# KiCad board pcb.kicad_pcb (continued)
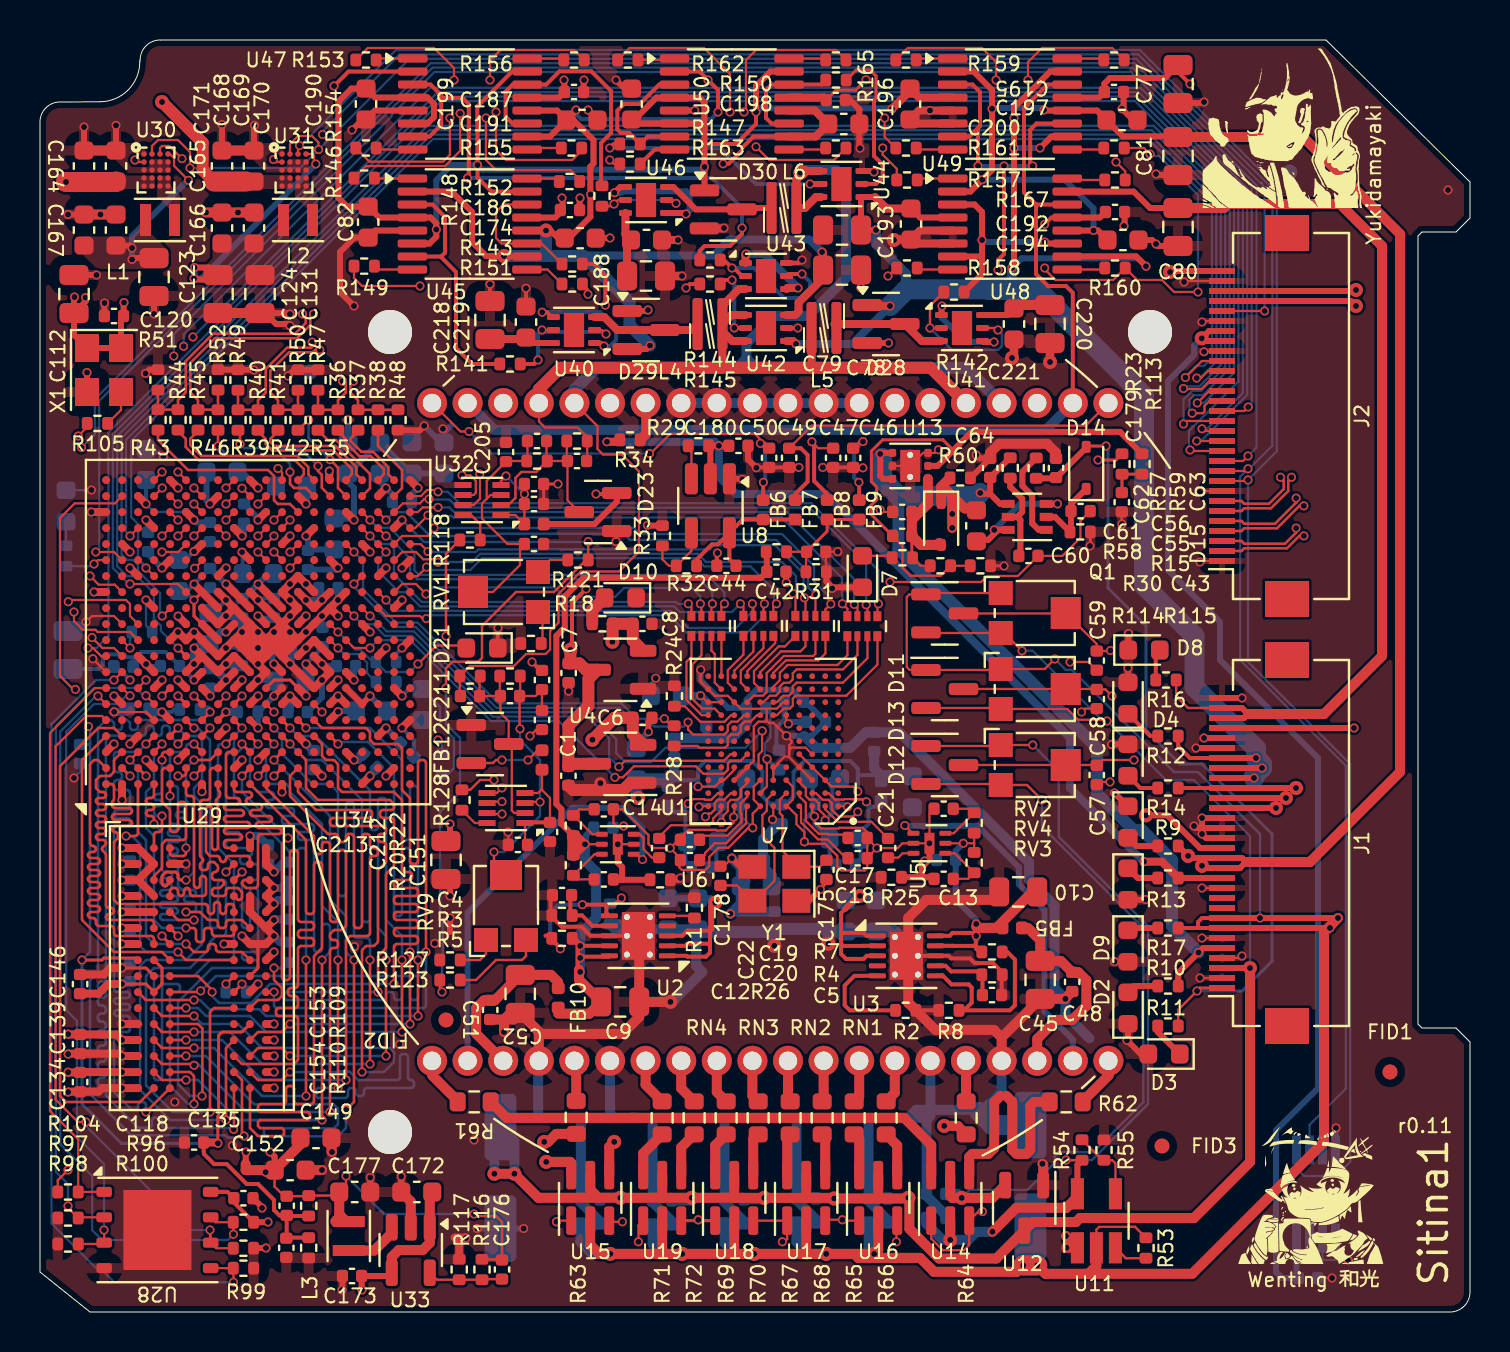
[diagram p0: board, top side]
## Routing (per net, layer and track width the routed paths; a pad name or vN(x,y) marks a point on that pad's centre or on a via; arc(x,y) is an arc through that point) (continued)
DSI_LP_D1P: length 9.7
  Top w0.127: U27.N18 12.5,40.4 11.89,40.4 11.7,40.59 11.7,41.8 11.4,42.1 7.4,42.1 5.9,43.6 R43.2
FDG_CCD: length 51.9
  Top w0.2: 49.8,55.38 49.8,51.9 50.4,51.3 51.3,51.3 51.64,50.96 U10.39 ; 49.8,55.38 U48.14 ; 49.8,55.38 49.2,55.98 49.2,60.2 50.38,61.38 U49.14
  Bottom w0.5: U10.39 50.29,44.11 22.72,44.11 U10.22
FPGA_TCK: length 90.5
  Top w0.11: v1(57.18,44.4) 57.32,44.55 J2.15
  Top w0.15: 7.3,32.8 6.9,33.2 v1(6.9,33.2)
  Bottom w0.11: v1(57.18,44.4) 57.18,45.63 57.61,46.06 58.06,46.06 59.26,47.26 59.26,55.73 55.68,59.31 19.38,59.31 3.86,43.79 3.86,37.29 4.36,36.79 4.84,36.79 5.69,35.94 5.69,34.67 6.04,34.31 6.04,34.05 v1(6.9,33.2)
FPGA_TDI: length 95.9
  Top w0.11: J2.14 58.21,44.05 v1(58.1,44.16)
  Top w0.15: 8.1,30.4 v1(7.7,30.8)
  In2.Cu w0.11: v1(7.7,30.8) 7.29,31.21 7.29,31.82 3.72,35.39 3.72,44.13 7.18,47.59 v1(7.18,48.29)
  Bottom w0.11: v1(7.18,48.29) 7.18,48.88 19.51,61.21 55.02,61.21 60.14,56.09 60.14,45.95 58.35,44.16 v1(58.1,44.16)
FPGA_TDO: length 98
  Top w0.11: J2.13 57.84,43.55 v1(57.84,43.55)
  Top w0.15: 7.3,30.4 v1(6.9,30.8)
  In2.Cu w0.11: v1(6.9,30.8) 6.49,31.21 6.49,32.31 3.5,35.3 3.5,44.61 v1(6.69,47.8)
  Bottom w0.11: v1(57.84,43.55) 58.05,43.55 60.36,45.86 60.36,56.18 54.54,62 19.72,62 17.57,59.84 17.57,59.77 6.69,48.89 v1(6.69,47.8)
FPGA_TMS: length 100.1
  Top w0.11: v1(57.5,43.1) 57.55,43.05 J2.12
  Top w0.15: 9.7,30.4 v1(10.1,30.8)
  In2.Cu w0.11: v1(7.65,48.75) 7.65,47.75 3.94,44.04 3.94,35.48 7.42,32 7.9,32 8.1,31.8 8.1,30.6 8.3,30.4 8.7,30.4 8.91,30.61 8.91,31.02 9.1,31.21 9.69,31.21 v1(10.1,30.8)
  Bottom w0.11: v1(57.5,43.1) 57.45,43.15 57.45,44.06 59.92,46.53 59.92,56 54.93,60.99 19.88,60.99 v1(7.65,48.75)
H1BINL_CCD: length 1.9
  Top w0.5: U10.5 46.3,10.64
H1BINR_CCD: length 2.1
  Top w0.5: U10.16 26.81,12.47 26.81,10.53
H1BL_CCD: length 2.1
  Top w0.5: U10.9 39.18,10.6 R68.2
H1BR_CCD: length 2.2
  Top w0.5: R69.2 33.84,11 U10.12
H1SL_CCD: length 2.1
  Top w0.5: U10.8 40.96,10.78 R65.2
H1SR_CCD: length 2.3
  Top w0.5: R72.2 32.06,11.18 U10.13
H2BL_CCD: length 2.1
  Top w0.5: R67.2 37.4,10.64 U10.10
H2BR_CCD: length 2.2
  Top w0.5: R70.2 35.62,10.82 U10.11
H2SL_CCD: length 2.2
  Top w0.5: R66.2 42.74,10.96 U10.7
H2SR_CCD: length 2.4
  Top w0.5: 30.31,12.53 U10.14 30.28,11.36 R71.2
I2C0_SCL: length 137.4
  Top w0.11: J2.10 60.29,42.05 v1(60.4,42.16) ; U27.B13 3.74,36.37 2.94,36.37 v1(2.5,36.8) ; U31.B1 11.8,57.5 v1(11.68,57.63)
  In2.Cu w0.11: v1(14.13,58.87) 12.88,57.63 v1(11.68,57.63) 11.6,57.7 10,57.7 6.49,54.19 4.91,54.19 3.92,53.2 3.92,50.92 3.62,50.61 3.62,46.73 2.52,45.63 2.52,43.11 2.1,42.69 2.1,37.2 v1(2.5,36.8)
  Bottom w0.11: U9.2 63.47,9.36 65.29,11.17 65.29,27.31 60.01,32.59 60.01,41.77 v1(60.4,42.16) 60.46,42.16 61.62,43.32 61.62,56.17 54.91,62.88 17.98,62.88 14.13,59.03 v1(14.13,58.87)
I2C0_SDA: length 145.3
  Top w0.11: U31.A3 12.9,58.09 12.98,58.17 v1(12.98,58.32) ; v1(2.6,33.72) 3.12,33.2 3.7,33.2 U27.B9 ; v1(60.4,41.6) 60.35,41.55 J2.9
  In2.Cu w0.11: v1(2.6,33.72) 2.6,34.25 2.69,34.34 2.69,34.81 1.44,36.06 1.44,49.34 2.44,50.34 2.66,50.56 2.66,50.97 3.7,52 3.7,53.4 4.71,54.41 6.2,54.41 10.12,58.32 v1(12.98,58.32)
  Bottom w0.11: v1(12.98,58.32) 13.02,58.32 17.8,63.1 55,63.1 61.84,56.26 61.84,43.04 v1(60.4,41.6) 60.4,32.51 65.51,27.4 65.51,7.51 64.8,6.8 63.2,6.8 62.82,7.18 62.82,8.1
I2C1_SCL: length 29.2
  Top w0.11: v1(1.7,35) 1.7,34.55 2.14,34.11 2.77,34.11 2.88,34 4.5,34 U27.C10 ; v1(4.75,57.6) 4.85,57.5 U30.B1
  In2.Cu w0.11: v1(4.75,57.6) 4.75,55.85 1,52.1 1,35.37 1.37,35 v1(1.7,35)
I2C1_SDA: length 30.8
  Top w0.11: U30.A3 6,58.2 6.1,58.3 6.47,58.3 v1(7.1,57.67) ; U27.C11 4.5,34.8 4.5,35.4 4.3,35.6 1.5,35.6 v1(1.41,35.51)
  In2.Cu w0.11: v1(7.1,57.67) 6.97,57.67 1.22,51.92 1.22,35.71 v1(1.41,35.51)
MIPI_CKN: length 71
  Top w0.127: v1(62.03,41.74) 62.19,41.58 62.19,41.15 61.45,40.41 60.21,40.41 60.08,40.55 J2.7 ; R48.2 R38.1 R37.1 15.9,45.59 15.51,45.98 15.51,46.38 v1(15.68,46.54)
  In2.Cu w0.127: v1(62.03,41.74) 62.19,41.9 62.19,51.55 61.05,52.69 40.85,52.69 40.05,53.49 32.75,53.49 30.75,51.49 25.65,51.49 25.35,51.79 16.55,51.79 15.21,50.45 15.21,47.85 15.51,47.55 15.51,46.7 v1(15.68,46.54)
MIPI_CKP: length 72.1
  Top w0.127: R47.2 R35.1 R36.1 14.9,45.59 15.29,45.98 15.29,46.38 v1(15.12,46.54) ; J2.6 60.08,40.05 60.21,40.19 61.55,40.19 62.41,41.05 62.41,41.58 v1(62.57,41.74)
  In2.Cu w0.127: v1(15.12,46.54) 15.29,46.7 15.29,47.45 14.99,47.75 14.99,50.55 16.45,52.01 25.45,52.01 25.75,51.71 30.65,51.71 32.65,53.71 40.15,53.71 40.95,52.91 61.15,52.91 62.41,51.65 62.41,41.9 v1(62.57,41.74)
MIPI_D0N: length 77.8
  Top w0.127: R50.2 R42.1 R41.1 11.9,45.59 11.51,45.98 11.51,47.05 12.45,47.99 13.65,47.99 13.77,48.11 v1(13.99,48.11) ; J2.5 60.08,39.55 60.21,39.41 61.75,39.41 62.81,40.47 v1(62.81,40.69)
  In2.Cu w0.127: v1(13.99,48.11) 13.99,48.33 14.41,48.75 14.41,50.55 17.25,53.39 24.35,53.39 24.85,52.89 30.25,52.89 31.55,54.19 33.25,54.19 33.85,54.79 60.35,54.79 63.29,51.85 63.29,40.95 63.03,40.69 v1(62.81,40.69)
MIPI_D0P: length 78.9
  Top w0.127: R49.2 R39.1 R40.1 10.9,45.59 11.29,45.98 11.29,47.15 12.35,48.21 13.55,48.21 13.61,48.27 v1(13.61,48.49) ; v1(63.19,40.31) 62.97,40.31 61.85,39.19 60.21,39.19 60.08,39.05 J2.4
  In2.Cu w0.127: v1(63.19,40.31) 63.19,40.53 63.51,40.85 63.51,51.95 60.45,55.01 33.75,55.01 33.15,54.41 31.45,54.41 30.15,53.11 24.95,53.11 24.45,53.61 17.15,53.61 14.19,50.65 14.19,48.85 13.83,48.49 v1(13.61,48.49)
MIPI_D1N: length 85.5
  Top w0.127: J2.3 60.08,38.55 60.21,38.41 62.25,38.41 62.81,38.97 v1(62.81,39.19) ; R52.2 R46.1 8.89,45.12 R45.1 7.9,45.6 7.51,45.98 7.51,47.45 8.75,48.69 12.85,48.69 13.51,49.35 13.51,49.74 v1(13.68,49.9)
  In2.Cu w0.127: v1(62.81,39.19) 63.03,39.19 64.19,40.35 64.19,52.25 60.85,55.59 37.25,55.59 36.85,55.99 31.55,55.99 29.95,54.39 27.05,54.39 26.65,54.79 17.65,54.79 13.51,50.65 13.51,50.06 v1(13.68,49.9)
MIPI_D1P: length 86.6
  Top w0.127: v1(63.19,38.81) 62.97,38.81 62.35,38.19 60.21,38.19 60.08,38.05 J2.2 ; v1(13.12,49.9) 13.29,49.74 13.29,49.45 12.75,48.91 8.65,48.91 7.29,47.55 7.29,45.98 6.9,45.6 R44.1 R43.1 R51.2
  In2.Cu w0.127: v1(63.19,38.81) 63.19,39.03 64.41,40.25 64.41,52.35 60.95,55.81 37.35,55.81 36.95,56.21 31.45,56.21 29.85,54.61 27.15,54.61 26.75,55.01 17.55,55.01 13.29,50.75 13.29,50.06 v1(13.12,49.9)
PS_POR_B: length 99.1
  Top w0.11: v1(60.4,42.8) 60.15,42.55 J2.11 ; U27.C7 4.9,31.2 v1(5.3,31.6)
  In2.Cu w0.11: v1(2.08,43.22) 2.08,42.98 1.88,42.78 1.88,36.24 2.12,36 2.13,36 3.4,34.73 3.4,33.53 5.3,31.62 v1(5.3,31.6)
  Bottom w0.11: v1(2.08,43.22) 2.74,43.88 2.74,45.64 19.54,62.44 54.73,62.44 60.82,56.34 60.82,43.23 v1(60.4,42.8)
PWREN: length 73
  Top w0.11: v1(13.93,58.12) 13.92,58.13 13.92,58.48 13.6,58.8 12.9,58.8 12.5,58.4 U31.A2 ; U30.A2 5.6,58.3 5.9,58.6 6.9,58.6 7.5,58 v1(7.5,57.2) ; v1(61.23,50.05) J2.26
  Bottom w0.11: v1(61.23,50.05) 61.23,56.25 54.82,62.66 18.47,62.66 v1(13.93,58.12) 13.01,57.2 v1(7.5,57.2)
QSPI_DATA0: length 41.7
  Top w0.11: U27.B8 4.1,32 v1(3.7,31.6) ; U28.5 9.27,2.2 9.27,2.19 R99.2 9.67,2.18 v1(9.67,1.49)
  Bottom w0.11: v1(3.7,31.6) 2.79,31.6 0.6,29.41 0.57,29.41 0.57,4.43 3,2 3.2,2 3.71,1.49 v1(9.67,1.49)
QSPI_DATA1: length 32.4
  Top w0.11: v1(5.3,30.81) 5.7,30.41 U27.D6 ; 3.21,4.74 1.94,4.74 R97.2 1.4,5.21 v1(1.4,5.3)
  Bottom w0.11: v1(1.4,5.3) 1.4,6.4 0.79,7.01 0.79,29.29 2.7,31.2 4.8,31.2 5.19,30.81 v1(5.3,30.81)
QSPI_DATA2: length 32.1
  Top w0.11: v1(3.2,4.1) 3.21,4.09 U28.3 3.14,3.4 R98.2 ; v1(4.5,30.81) 4.12,31.2 U27.B7
  Bottom w0.11: v1(3.2,4.1) 3.2,7.4 1.85,8.75 1.85,14.55 1.31,15.09 1.31,29.01 2.7,30.4 3.9,30.4 4.31,30.81 v1(4.5,30.81)
QSPI_DATA3: length 38
  Top w0.11: v1(9.67,3.89) 9.67,4.48 R96.2 8.78,4.49 8.53,4.74 ; U27.A6 v1(2.9,30.8)
  Bottom w0.11: v1(9.67,3.89) 9.67,3.87 9.4,3.6 3.1,3.6 2.61,4.09 2.61,6.79 1.01,8.39 1.01,29.03 2.79,30.8 v1(2.9,30.8)
QSPI_SCLK: length 34
  Top w0.11: v1(2.3,9.5) 1.9,9.5 0.77,10.63 0.77,28.27 2.3,29.8 3.1,29.8 U27.A5 ; R100.2 8.81,3.19 8.5,3.5 v1(8.5,4.1) 8.53,4.07 U28.6
  Bottom w0.11: v1(2.3,9.5) 2.3,9.3 7.5,4.1 v1(8.5,4.1)
QSPI_SS0: length 28.6
  Top w0.11: U28.1 1.91,6.01 R104.2 1.91,8.64 0.5,10.05 0.5,28.95 2.74,31.2 U27.A7
RL_CCD: length 1.9
  Top w0.5: 53.45,11.84 52.14,10.53
RR_CCD: length 1.9
  Top w0.5: 19.6,11.84 20.91,10.53
SDIO_CLK: length 80.5
  Top w0.11: J2.21 58.09,47.55 v1(57.27,46.72) ; 5.7,36.8 v1(5.3,37.2)
  Bottom w0.11: v1(5.3,37.2) 5.12,37.38 5.12,37.44 4.9,37.66 4.9,39.4 4.56,39.74 4.56,43.56 9.4,48.4 19.65,58.65 55.41,58.65 58.6,55.46 58.6,47.7 58.2,47.3 57.8,47.3 57.27,46.77 v1(57.27,46.72)
SDIO_CMD: length 78.4
  Top w0.11: v1(57.83,46.7) 58.05,46.7 58.4,47.05 J2.20 ; U27.C17 4.9,39.2 v1(4.5,38.8)
  Bottom w0.11: v1(57.83,46.7) 58,46.7 58.82,47.52 58.82,55.55 55.5,58.87 19.56,58.87 4.3,43.61 4.3,39 v1(4.5,38.8)
SDIO_DAT0: length 86
  Top w0.11: v1(6.11,34.8) 6.11,34.8 U27.E12 ; v1(57.17,46.17) 57.19,46.15 58.07,46.15 58.47,46.55 J2.19
  Top w0.15: v1(6.11,34.8) 6.12,34.81 6.12,34.82 arc(6.12,34.82) 6.13,34.83
  Bottom w0.11: v1(57.17,46.17) 57.28,46.28 57.97,46.28 59.04,47.35 59.04,55.64 55.59,59.09 19.47,59.09 9.22,48.84 4.08,43.7 4.08,37.87 4.35,37.6 4.65,37.6 4.91,37.35 4.91,37.04 6,35.95 6,34.91 v1(6.11,34.8)
SDIO_DAT1: length 90.8
  Top w0.11: v1(2.4,33.2) 2.65,33.2 3.05,32.8 U27.A9 ; v1(57.86,45.45) 58.46,46.05 J2.18
  Bottom w0.11: v1(57.86,45.45) 58.19,45.45 59.7,46.96 59.7,55.91 54.84,60.77 19.97,60.77 8.96,49.76 8.96,49.52 3.42,43.98 3.42,33.8 2.82,33.2 v1(2.4,33.2)
SDIO_DAT2: length 89.6
  Top w0.11: v1(4.5,36.4) 6.88,36.4 arc(6.91,36.39) 6.93,36.37 7.3,36 ; v1(57.61,44.94) 58.14,44.94 58.22,45.03 58.22,45.31 58.47,45.55 J2.17
  Bottom w0.11: v1(4.5,36.4) 4.44,36.4 3.64,37.2 3.64,43.88 9.18,49.43 9.18,49.67 20.07,60.55 54.75,60.55 59.48,55.82 59.48,47.17 58.15,45.84 57.7,45.84 57.47,45.61 57.47,45.07 v1(57.61,44.94)
SDIO_DAT3: length 88.6
  Top w0.11: v1(2.79,38) 3.7,38 U27.B15 ; J2.16 60.21,45.05 v1(60.41,45.25)
  Bottom w0.11: v1(60.41,45.25) 60.58,45.42 60.58,56.28 54.64,62.22 19.63,62.22 2.96,45.55 2.96,38.17 v1(2.79,38)
TCON_H1: length 51
  Top w0.11: U27.L16 11.7,38.79 v1(11.7,38.8) ; C58.1 52.25,30.17 v1(52.07,30)
  In2.Cu w0.11: v1(11.7,38.8) 11.29,39.21 11.29,39.77 12.4,40.88 15.2,40.88 16.7,42.38 27.82,42.38 30,40.2 40.3,40.2 47.05,33.45 51.1,33.45 52.07,32.48 v1(52.07,30)
TCON_H2: length 48.1
  Top w0.11: v1(10.9,38) U27.L15 ; v1(51.5,32.5) 52.43,32.5 C59.1
  In2.Cu w0.11: v1(51.5,32.5) 51.26,32.26 47.64,32.26 42.5,37.4 31.2,37.4 29.12,35.32 19.29,35.32 18.39,36.22 16.78,36.22 13.8,39.2 12.35,39.2 12.11,38.96 12.11,38.61 11.91,38.41 11.31,38.41 v1(10.9,38)
TCON_RG: length 56.4
  Top w0.11: U27.L17 11.3,39.2 v1(10.9,38.8) ; v1(53.5,26.5) 52.97,26.5 C57.1
  In2.Cu w0.11: v1(53.5,26.5) 52.8,27.2 52.8,32.4 51.35,33.85 47.65,33.85 40.8,40.7 30.2,40.7 28.3,42.6 16.46,42.6 14.96,41.1 12.31,41.1 11.2,39.99 10.69,39.99 10.4,39.7 10.4,39.3 v1(10.9,38.8)
TCON_STROBE: length 45.7
  Top w0.11: U27.M15 v1(11.7,38) ; C61.2 52.02,39.55 52.02,38.71 51.12,37.81 C60.2 48.9,36.8 47.36,36.8 47.06,36.5 v1(42.5,36.5)
  In2.Cu w0.11: v1(11.7,38) 11.9,38 12.29,38.39 14.3,38.39 16.69,36 18.3,36 19.2,35.1 29.6,35.1 31.2,36.7 33.4,36.7 33.56,36.86 42.14,36.86 v1(42.5,36.5)
VAB_PWM: length 126.2
  Top w0.11: U27.B19 3.74,40.43 1.73,40.43 1,39.7 1,31.8 1.67,31.13 v1(1.77,31.13)
  Top w0.15: v1(52.9,42.6) 53.79,42.6 R23.2
  In2.Cu w0.11: 55.82,25.3 53.97,27.15 53.97,29.64 53.95,29.65 ; 19.8,7.8 18.2,6.2 5.04,6.2 2.34,8.9 1.7,8.9 1,9.6 1,29.9 1.77,30.67 v1(1.77,31.13)
  In2.Cu w0.12: 53.95,29.65 53.1,30.5 53.1,42.4 v1(52.9,42.6) ; 55.82,25.3 55.82,11.82 54.2,10.2 44.6,10.2 43.7,9.3 21.3,9.3 19.8,7.8
VSUB_CCD: length 12.6
  Top w0.5: 45.06,41.21 45.21,41.21 45.66,40.76 ; 45.06,41.21 D15.1 ; 45.06,41.21 45.06,41.26 R60.1 ; 45.66,40.76 46.24,40.18 46.81,40.18 ; 45.66,40.76 45.61,40.71 v1(45.61,39.21)
  In3.Cu w0.5: v1(45.61,39.21) 45.61,40.91 44.31,42.21 44.31,43.03 42.74,44.6 U10.34
  vias: v1(45.61,39.91)
XADC_SAMPLE: length 15.1
  Top w0.12: R118.1 20.3,37.91 v1(20.3,33.8) ; v1(22.7,26.6) 22,26.6 21.51,26.11 R128.1
  In2.Cu w0.12: v1(22.7,26.6) 22.6,26.7 22.6,31.5 v1(20.3,33.8)
XADC_V1_N: length 19.8
  Top w0.11: v1(23.1,25.52) 22.42,25.52 U34.6 ; U27.N16 12.9,38.4 v1(12.5,38)
  In2.Cu w0.11: v1(12.5,38) 12.8,37.7 13.8,37.7 15.79,35.71 16.44,35.71 18.34,33.81 19.19,33.81 22.21,30.79 22.21,26.19 22.88,25.52 v1(23.1,25.52)
XADC_V1_P: length 20
  Top w0.11: U34.7 22.4,24.9 v1(23.1,24.9) ; v1(12.5,37.2) 12.9,37.6 U27.N15
  In2.Cu w0.11: v1(12.5,37.2) 12.79,37.49 13.71,37.49 15.7,35.5 16.35,35.5 18.25,33.6 19.1,33.6 22,30.7 22,26 v1(23.1,24.9)
XADC_V2_N: length 13.1
  Top w0.11: U27.M18 12.1,40 v1(11.7,39.6) ; v1(21.1,41.84) 21.52,41.84 21.79,41.56 21.79,40.96 21.69,40.85 U32.6
  In2.Cu w0.11: v1(21.1,41.84) 20.87,41.61 19.89,41.61 19.7,41.8 18.5,41.8 17.11,40.41 14.92,40.41 14.51,40 12.1,40 v1(11.7,39.6)
XADC_V2_P: length 13.4
  Top w0.11: v1(12.5,39.6) 12.1,39.2 U27.M17 ; U32.7 21.69,40.35 22,40.67 22,41.89 v1(21.99,41.9)
  In2.Cu w0.11: v1(12.5,39.6) 14.41,39.6 15.01,40.2 17.2,40.2 18.59,41.59 19.61,41.59 19.8,41.4 21.2,41.4 21.7,41.9 v1(21.99,41.9)
Net-(C43-Pad1): length 5.7
  Top w0.11: R30.2 C43.1 38.3,37.98 R31.1
  Top w0.15: FB9.1 FB8.1 39.36,39.04 C43.1
Net-(C179-Pad2): length 1.9
  Top w0.15: C179.2 54.1,40.98 R23.1 R113.2
Net-(D1-A): length 1.7
  Top w0.3: R9.1 54.81,23.3 D1.2
Net-(D2-A): length 1.6
  Top w0.3: D2.2 54.71,16.3 R10.1
Net-(D3-K): length 1.9
  Top w0.3: D3.1 55.89,14 R11.1
Net-(D4-K): length 2
  Top w0.2: R12.1 55.51,28.8 D4.1
Net-(D5-K): length 1.7
  Top w0.3: R13.1 54.89,21.7 D5.1
Net-(D6-A): length 1.7
  Top w0.2: R14.1 55.01,26.2 D6.2
Net-(D7-A): length 1.5
  Top w0.11: R15.1 42.51,37.81 D7.2
Net-(D8-A): length 1.6
  Top w0.2: D8.2 55.79,32.9 R16.1
Net-(D9-K): length 1.5
  Top w0.3: D9.1 54.51,19.2 R17.1
Net-(D10-A): length 1.6
  Top w0.6: R18.1 27.61,35.09 D10.2
Net-(D14-K): length 3.9
  Top w0.3: Q1.2 50.75,39.76 R58.1 ; 51.55,39.06 C61.1 51.55,40.4 D14.1
Net-(D22-A): length 1.2
  Bottom w0.11: R56.2 D22.2
Net-(D23-COM): length 9.6
  Top w0.11: R120.2 26.34,42.58 C204.2 ; C204.2 R119.1 25.33,42.58 C203.1 ; C204.2 26.37,40.59 D23.3
  Top w0.12: U32.2 23.42,40.35 23.77,40.7 23.77,41.7 24.07,42 24.81,42 R119.1
Net-(D24-COM): length 9.7
  Top w0.11: C209.1 C208.2 21.98,31.77 R125.2 ; C209.1 22.99,30.83 R126.1 ; C209.1 23.02,29.96 23.44,29.54 D24.3 23.59,28.25 23.59,25.08 23.72,24.95 U34.2
Net-(D28-COM): length 5.7
  Top w0.4: 39.72,49.4 D28.3 44.09,48.55 U41.3
Net-(D29-COM): length 5.5
  Top w0.4: L4.1 32.58,49.1 D29.3 28.86,49.1 28.21,49.75 U40.3
Net-(D30-COM): length 5.7
  Top w0.3: L6.1 35.17,55.2 D30.3 ; U46.3 31.67,56.25 32.79,55.13 35.04,55.13
Net-(Q1A-C1): length 6.4
  Top w0.3: 46.81,38.63 46.84,38.61 47.41,38.61 47.91,39.11 48.01,39.11 ; Q1.6 48.01,39.11 ; 48.01,39.11 v1(47.71,39.11) ; v1(50.87,40.41) Q1.3
  Bottom w0.3: v1(50.87,40.41) 49.01,40.41 v1(47.71,39.11)
Net-(Q1A-E1): length 4.6
  Top w0.3: R59.1 49.12,42.01 49.12,41.31 49.61,40.82 49.61,39.43 49.94,39.11 Q1.1
Net-(Q1B-B2): length 4.8
  Top w0.3: 48.86,39.76 49.02,39.6 49.02,37.83 48.99,37.81 ; 48.86,39.76 49.11,40.01 49.11,40.66 48.51,41.26 R57.2 ; 48.86,39.76 Q1.5
Net-(R121-Pad1): length 1.7
  Top w0.11: RV1.3 25.5,37.6 R121.1
Net-(R122-Pad2): length 1.7
  Top w0.11: RV1.1 25.12,34.78 25.12,33.49 25.21,33.4
Net-(R123-Pad1): length 4.6
  Top w0.12: RV9.3 24.3,17.8 24.1,17.6 22.8,17.6 21.8,16.6 R123.1
Net-(R127-Pad2): length 2.1
  Top w0.12: R127.2 22,17.6 22.3,17.9 RV9.1
Net-(R146-Pad2): length 1.9
  Top w0.11: U45.1 16.74,56.68 R146.2
Net-(R149-Pad1): length 2
  Top w0.11: U45.8 16.89,52.13 R149.1
Net-(R151-Pad2): length 2.1
  Top w0.11: U45.9 25.38,52.13 R151.2
Net-(R152-Pad1): length 1.8
  Top w0.11: 26.1,56.5 25.92,56.68 U45.16
Net-(R153-Pad2): length 1.9
  Top w0.11: U47.1 16.88,62.68 R153.2
Net-(R154-Pad1): length 1.9
  Top w0.11: U47.8 16.88,58.13 R154.1
Net-(R155-Pad2): length 1.9
  Top w0.11: 26.19,58.2 24.44,58.2 U47.9
Net-(R156-Pad1): length 1.9
  Top w0.11: U47.16 26.12,62.68 R156.1
Net-(R157-Pad2): length 1.8
  Top w0.11: R157.2 43.94,56.68 U48.1
Net-(R158-Pad1): length 1.8
  Top w0.11: R158.1 43.94,52.13 U48.8
Net-(R159-Pad2): length 1.9
  Top w0.11: U49.1 43.88,62.68 R159.2
Net-(R160-Pad1): length 1.9
  Top w0.11: R160.1 53.16,52.13 U48.9
Net-(R161-Pad1): length 1.9
  Top w0.11: U49.8 43.88,58.13 R161.1
Net-(R162-Pad2): length 1.9
  Top w0.11: U50.1 31.65,62.6 R162.2
Net-(R163-Pad1): length 2
  Top w0.2: R163.1 30.74,58.13 U50.8
Net-(R164-Pad2): length 1.9
  Top w0.11: R164.2 39.21,58.13 U50.9
Net-(R165-Pad1): length 1.9
  Top w0.11: R165.1 39.21,62.68 U50.16
Net-(R166-Pad1): length 1.9
  Top w0.11: U49.9 53.12,58.13 R166.1
Net-(R167-Pad2): length 1.9
  Top w0.11: U48.16 51.44,56.6 R167.2
Net-(R168-Pad1): length 1.9
  Top w0.11: U49.16 53.12,62.68 R168.1
Net-(U2-ILIM): length 1.4
  Top w0.11: U2.5 32.61,19.81 R1.1
Net-(U2-PGFB): length 8.1
  Top w0.2: v1(29.07,20.7) 28.73,20.37 28.32,20.37 ; U2.6 28.32,19.96 28.32,20.37 ; 25.53,18.81 25.28,18.81 ; 28.32,20.37 v1(27.12,20.37) ; v1(26.02,18.16) 26.02,18.19 25.53,18.68
  Bottom w0.12: v1(29.07,20.7) 28.78,20.41 R6.1
  Bottom w0.2: v1(27.12,20.37) 25.94,20.37 25.51,19.94 25.51,18.67 v1(26.02,18.16)
Net-(U2-SET): length 3.3
  Top w0.2: 26.66,19.72 26.55,19.83 ; 26.55,19.83 26.52,19.86 26.52,20.84 ; 26.55,19.83 27.1,19.83 27.62,19.31 U2.7
Net-(U3-ILIM): length 5.5
  Top w0.2: R2.1 40.49,15.08 40.24,15.34 40.24,16.33 40.72,16.81 U3.5
Net-(U3-PGFB): length 9.6
  Top w0.2: U3.6 45.15,16.81 45.57,16.38 46.43,16.38 46.59,16.23 46.59,15.47 46.2,15.08 R8.1 48.49,15.08 48.74,15.34 48.74,17.62 48.36,18.01 R7.2
Net-(U3-SET): length 3.5
  Top w0.2: C5.1 47.12,16.83 R4.1 46.92,17.03 45.56,17.03 45.28,17.31 U3.7
Net-(U5-IDRV): length 3
  Top w0.11: U5.4 45.73,22.94 R21.2 46.4,21.66 C13.1
Net-(U5-ISF): length 3
  Top w0.11: U5.6 45.68,23.94 R19.2 46.51,25.16 C11.1
Net-(U5-OUT): length 1.4
  Top w0.11: U5.3 43.13,22.94 42.91,22.72 C21.2 42.4,22.71
Net-(U6-IDRV): length 3
  Top w0.11: U6.4 27.61,23.89 R22.2 26.97,25.14 C14.1
Net-(U6-ISF): length 3
  Top w0.11: U6.6 27.72,22.89 R20.2 26.87,21.63 C12.1
Net-(U6-OUT): length 2.1
  Top w0.11: U6.3 29.99,23.89 30.17,23.7 30.17,23.14 30.6,22.72 31.03,22.72
Net-(U7-CCDIN_A): length 3.9
  Top w0.11: C21.1 41.57,24.51 39.89,24.51 39.26,25.13 U7.A2
Net-(U7-CCDIN_B): length 4
  Top w0.11: C22.1 30.96,23.76 31.54,24.34 33.46,24.34 33.65,24.53 33.65,24.67 34.07,25.09 34.07,25.28
Net-(U7-CLIVDD): length 5
  Top w0.11: U7.A6 36.66,24.66 v3(36.63,24.63)
  Bottom w0.11: FB4.2 36.86,24.4 v3(36.63,24.63)
  Bottom w0.5: C37.1 36.59,21.83 36.23,22.19 C36.1 36.15,22.65 36.15,23.64 36.91,24.4 FB4.2
Net-(U7-CLO): length 8.2
  Top w0.11: U7.B6 36.34,25.62 36.34,25.06 36.12,24.84 36.12,23.81 36.72,23.21 36.72,21.56 35.72,20.56 ; C178.2 34.85,21.33 Y1.3
Net-(U7-LDOIN_A): length 7.2
  Top w0.11: 40.66,25.64 41.26,25.64 ; 40.66,25.64 41.19,25.64 v1(41.32,25.51) ; 40.66,25.64 40.65,25.65 40.2,25.65 40.17,25.62 39.75,25.62 39.43,25.94 U7.B2
  Bottom w0.2: C38.1 41.03,22.64 C39.1 41.03,24.01 41.42,24.4 41.42,25.41 v1(41.32,25.51) 41.56,25.27 42.06,25.27
Net-(U7-LDOIN_B): length 6.4
  Top w0.11: U7.B10 33.9,25.94 33.56,25.61 33.25,25.61 33.21,25.65 32.63,25.65 v1(32.41,25.42)
  Bottom w0.2: 31.39,25.01 32,25.01 v1(32.41,25.42) 32.27,25.28 32.27,22.54 C40.1
Net-(U7-REFB_A): length 3.9
  Top w0.11: C18.1 40.31,22.69 39.37,23.63 38.9,23.63 38.05,24.48 38.05,25.2 U7.A4
Net-(U7-REFB_B): length 4.1
  Top w0.11: 32.93,22.71 33.11,22.71 33.25,22.86 33.25,22.95 33.74,23.44 34.32,23.44 35.3,24.43 35.3,25.25 35.37,25.32
Net-(U7-REFT_A): length 4
  Top w0.11: C17.1 40.24,23.87 39.43,23.87 39.39,23.91 38.95,23.91 38.6,24.25 38.6,24.25 38.29,24.56 38.29,25.46 37.96,25.78 U7.B4
Net-(U7-REFT_B): length 4.1
  Top w0.11: 35.37,25.97 35.37,25.77 35.03,25.43 35.03,24.94 35.08,24.89 35.08,24.52 34.37,23.81 33.01,23.81 32.93,23.73
Net-(U7-SYNC): length 3.5
  Top w0.11: U7.H9 34.55,29.84 34.22,29.51 33.02,29.51 32.24,30.29 R24.2
Net-(U7-TCVDD): length 5.5
  Top w0.11: U7.B7 36.34,26.27 36.34,27.41 36.35,27.42 v3(36.35,27.65)
  Bottom w0.11: C28.2 36.52,29.98 36.52,28.71 36.24,28.43 36.24,27.76 v3(36.35,27.65)
  Bottom w0.2: FB1.1 36.88,27.11 v3(36.35,27.65)
Net-(U8-EN): length 1.7
  Top w0.11: U8.3 32.57,43.15 R29.2
Net-(U8-NR/FB): length 3.5
  Top w0.11: R33.1 31.12,37.63 31.44,37.31 R32.2 31.82,37.31 32.57,38.06 U8.4
Net-(U10-ESD): length 2
  Top w0.5: U10.27 30.31,45.42 30.31,43.91 R34.2
Net-(U11-EN): length 1.7
  Top w0.12: U11.3 54.29,2.69 R53.2
Net-(U11-NR/FB): length 3.6
  Top w0.11: U11.4 53.77,7.43 53.61,7.59 R55.1 ; 53.12,7.59 R54.2
Net-(U13-FB): length 26.9
  Top w0.11: C55.1 43.12,38.32 43.12,37.21 43.52,36.81 45.03,36.81 R114.1 R115.2
  Top w0.15: C55.1 41.52,39.92 41.52,40.3 41.84,40.62 41.84,41.25 41.57,41.51 41.57,43.05 42.13,43.61 45.15,43.61 45.67,43.09
  Top w0.3: U13.2 44.88,42.31 46.58,44.01 54,44.01 R113.1
Net-(U27G-PS_DDR_VRN_502): length 1.1
  Top w0.15: U27.G5 8.5,30 v1(8.5,30)
  Bottom w0.4: v1(8.5,30) 8.38,30.13 R108.2
Net-(U27G-PS_DDR_VRP_502): length 1.1
  Top w0.2: 8.9,29.6 9.31,30.01 9.34,30.01
  Bottom w0.4: R107.2 9.34,30.01
  vias: v1(9.29,30)
Net-(U29-ZQ): length 3.9
  Top w0.127: v1(11.7,17.2) 11.7,16.64 arc(11.71,16.6) 11.73,16.57 12.07,16.23 arc(12.09,16.2) 12.1,16.16 12.1,15.84 arc(12.09,15.8) 12.07,15.77 11.93,15.63 arc(11.9,15.61) 11.86,15.6 10.94,15.6 arc(10.9,15.59) 10.87,15.57 10.5,15.2
  Bottom w0.15: v1(11.7,17.2) 12.22,17.2
Net-(U32-DEN): length 5.3
  Top w0.11: 24.17,41.35 C202.2 C201.1 24.22,39.41 24.22,39.4 23.76,39.85 U32.1
  Top w0.12: U32.4 23.05,41.55 v1(23.3,41.8)
  Bottom w0.12: v1(24.22,40.9) 24.2,40.9 v1(23.3,41.8)
Net-(U32-SEN): length 1.8
  Top w0.12: U32.8 21.55,39.85 22.01,39.39 R118.2
Net-(U33-FB): length 3.8
  Top w0.12: U33.5 19.84,1.62 R117.2 R116.1 22.13,1.65 C176.1
Net-(U33-SW): length 2.8
  Top w0.5: U33.3 17.59,3.95 16.71,3.08 L3.1
Net-(U34-DEN): length 6.1
  Top w0.11: 24.38,23.4 24.25,23.53 U34.1 ; C212.1 25.5,25.7 25.07,26.13 ; FB12.1 25.1,26.15 25.07,26.13 ; 25.07,26.13 24.9,25.95 U34.4
  Top w0.2: U34.1 24.28,24.48 C212.1
Net-(U34-SEN): length 1.5
  Top w0.11: R128.2 21.74,24.45 U34.8
Net-(U40A-G): length 7.1
  Top w0.11: v1(28.3,48.9) 28.1,49.1 U40.2 ; v1(25.1,49.1) U40.5
  Top w0.2: R141.1 24.7,47.4 v1(24.9,47.6)
  Bottom w0.2: v1(28.3,48.9) 28.2,49 25.2,49 v1(25.1,49.1) 24.9,48.9 v1(24.9,47.6)
Net-(U40A-S): length 6.5
  Top w0.2: U40.4 25.58,49.75 25.34,49.99 v1(25.11,49.99) ; v1(28.2,48.3) 28.05,48.45 U40.1
  Bottom w0.2: v1(28.2,48.3) 28.5,48.3 28.8,48.6 28.8,49.2 28.01,49.99 v1(25.11,49.99)
Net-(U41A-G): length 8.5
  Top w0.11: U41.2 v1(44.5,49.2)
  Top w0.12: v1(47.9,49.1) 47.8,49.2 U41.5 ; R142.1 44.5,50.31 v1(44.5,49.2)
  Bottom w0.12: v1(47.9,49.1) 48.09,48.91 48.09,48.3 47.91,48.11 45.59,48.11 v1(44.5,49.2)
Net-(U41A-S): length 4.8
  Top w0.3: U41.1 45.07,50.27 v1(45.1,50.3) ; U41.4 47.18,48.5 v1(47.7,48.5)
  Bottom w0.3: v1(45.1,50.3) 45.1,49.7 46.3,48.5 v1(47.7,48.5)
Net-(U42A-G): length 13.7
  Top w0.2: U42.2 v1(37.89,49.2) ; v1(28.27,50.34) 28.27,51.83 27.7,52.4 R143.2
  In2.Cu w0.2: v1(28.27,50.34) 28.46,50.54 31.58,50.54 32.13,49.99 37.1,49.99 v1(37.89,49.2)
Net-(U42B-G): length 3.7
  Top w0.2: v1(34.6,51.6) 34.21,51.6 R145.2 ; U42.5 34.72,49.2 v1(34.71,49.2)
  Bottom w0.2: v1(34.71,49.2) 34.71,51.49 v1(34.6,51.6)
Net-(U43A-G): length 8.1
  Top w0.2: v1(38.1,51.9) 37.43,51.9 U43.5 ; U43.2 35.1,51.8 34.7,52.2 v1(34.6,52.2) 34.2,52.6 R144.1
  Bottom w0.2: v1(38.1,51.9) 38.5,51.5 38.5,51 38.2,50.7 37.2,50.7 35.7,52.2 v1(34.6,52.2)
Net-(U43A-S): length 4.4
  Top w0.4: U43.4 37.38,51.2 v1(37.9,51.2) ; U43.1 35.27,52.87 v1(35.3,52.9)
  Bottom w0.4: v1(35.3,52.9) 36.2,52.9 v1(37.9,51.2)
Net-(U44A-G): length 8.3
  Top w0.15: 41.7,60.6 41.8,60.7 41.8,61.8 41.5,62.1 40.81,62.1 R150.2
  Top w0.2: 41.7,60.6 41.7,57.8 42.13,57.37 42.13,56.74 41.8,56.4 U44.2
Net-(U44B-G): length 11.9
  Top w0.2: R147.1 28.69,58.4 v1(28.49,58.2)
  Top w0.3: U44.5 v1(38.51,56.4)
  Bottom w0.2: v1(28.49,58.2) 34,58.2 35.8,56.4 v1(38.51,56.4)
Net-(U46A-G): length 5.1
  Top w0.11: U46.2 31.63,55.6 v1(31.8,55.44) ; R148.1 28.59,55.29 28.9,55.6 U46.5
  Bottom w0.11: v1(31.8,55.44) 31.63,55.6 28.9,55.6 v1(28.7,55.4)
Net-(U46A-S): length 6.6
  Top w0.3: v1(28.72,55.96) 29.01,56.25 U46.4 ; v1(32.3,54.9) 32.25,54.95 U46.1
  Bottom w0.3: v1(32.3,54.9) 32.49,55.09 32.49,55.85 32.3,56.04 29.1,56.04 29.03,55.96 v1(28.72,55.96)
Net-(X1-OUT): length 1.8
  Top w0.11: R105.1 4.05,45.1 X1.3

## Copper pours and planes (outline as drawn; the poured copper is in the pictures)
+1V0_PL on Top: 12.45,55.4 11.9,55.4 11.9,54.5 11.28,53.88 8.85,53.88 8.62,53.65 8.62,52.68 8.18,52.23 8.18,51.53 8.35,51.35 11.78,51.35 12.45,52.03
+1V0_PL on In3.Cu: 6.9,53.6 6.9,52.2 9.5,49.6 9.5,43.8 7.3,41.6 7.3,35.6 7.7,35.2 14.1,35.2 14.5,35.6 14.5,36.2 13.7,37 9.2,37 9.1,37.1 9.1,39.8 11.1,41.8 11.1,44.9 11.7,45.5 11.7,50.6 8.5,53.8 7.1,53.8
+1V0_PS on Top: 5,55.4 5,54.2 4.57,53.78 2.12,53.78 2.12,52.88 2.85,52.15 6.18,52.15 6.4,52.38 6.4,53.08 5.55,53.93 5.55,55.4
+1V0_PS on In4.Cu: 15.3,31.6 15.3,30.8 14.9,30.4 8.5,30.4 8.1,30.8 8.1,32 4.5,35.6 4.5,44.2 7.9,47.6 7.9,49.2 6.1,51 4.9,51 4.1,51.8 4.1,53.4 4.7,54 6.3,54 6.7,53.6 6.7,52.2 9.3,49.6 9.3,44 7.1,41.8 7.1,35.6 8.7,34 12.9,34
+1V8 on In3.Cu: 57.1,52.6 56.1,53.6 14.5,53.6 13.1,52.1 13.1,39.3 8.9,35.2 5.9,35.2 4.1,33.4 4.1,31.4 4.3,31.2 4.9,31.2 5.7,32 13.9,32 19.3,37.4 19.3,42.2 15.3,46.2 15.3,50.2 16.5,51.4 20.1,51.4 20.9,50.6 56.1,50.6 57.1,51.6
+1V35 on In3.Cu: 18.5,30.4 20.9,28 20.9,15.6 18.5,13.2 18.5,11.4 17.9,10.8 16.5,10.8 15.5,9.8 15.5,7.8 14.1,6.4 10.3,6.4 8.5,8.2 3.5,8.2 0.9,10.8 0.9,27.4 3.9,30.4
+3V3 on In3.Cu: 61.3,49 61.3,59 55.5,64 -0.3,64 -0.3,-2.8 17.3,-2.8 17.9,-2.2 17.9,28.6 20.5,31.2 20.5,43.2 18.9,44.8 18.9,45.6 19.5,46.2 58.5,46.2
GND on Top: 13.45,57.65 13.45,56.95 11.32,56.95 10.65,57.63 10.43,57.63 10.43,58.45 11.8,58.45 12.25,58 12.25,57.85 12.15,57.75 11.82,57.75 11.68,57.9 11.45,57.9 11.32,57.78 11.32,57.43 11.47,57.28 12.35,57.28 12.35,57.65
GND on Top: 6.55,57.65 6.55,56.95 4.43,56.95 3.75,57.63 3.53,57.63 3.53,58.45 4.9,58.45 5.35,58 5.35,57.85 5.25,57.75 4.93,57.75 4.78,57.9 4.55,57.9 4.43,57.78 4.43,57.43 4.6,57.25 5.45,57.25 5.45,57.65
GND on Top, Bottom, In1.Cu, In2.Cu, In3.Cu, In4.Cu: 72.5,64 72.5,-1 -1.5,-1 -1.5,64
+SYS on Top: 12.65,56.15 10.9,56.15 10.9,56.85 12.65,56.85
+SYS on Top: 5.75,56.15 4,56.15 4,56.85 5.75,56.85
Net-(L1-Pad1) on Top: 5.85,56.85 5.85,55.78 6.45,55.18 6.45,53.8 7,53.8 7,55.85 6.55,56.3 6.55,56.85
Net-(L2-Pad1) on Top: 12.75,56.85 12.75,55.78 13.35,55.18 13.35,53.8 13.9,53.8 13.9,55.85 13.45,56.3 13.45,56.85

## Text on the board
User.Drawings: ͼֽ 1 (\U+51711) | ǩ\U+540D | A4 | A | D | F | C | B | E | 4 | 3 | 2 | 1 | front
F.Silkscreen: Wenting 和光 | r0.11 | Yukidamayaki | Sitina1
